# Allegro board 1155000-zp-dic_pda_8ch_board_v002.brd (continued)
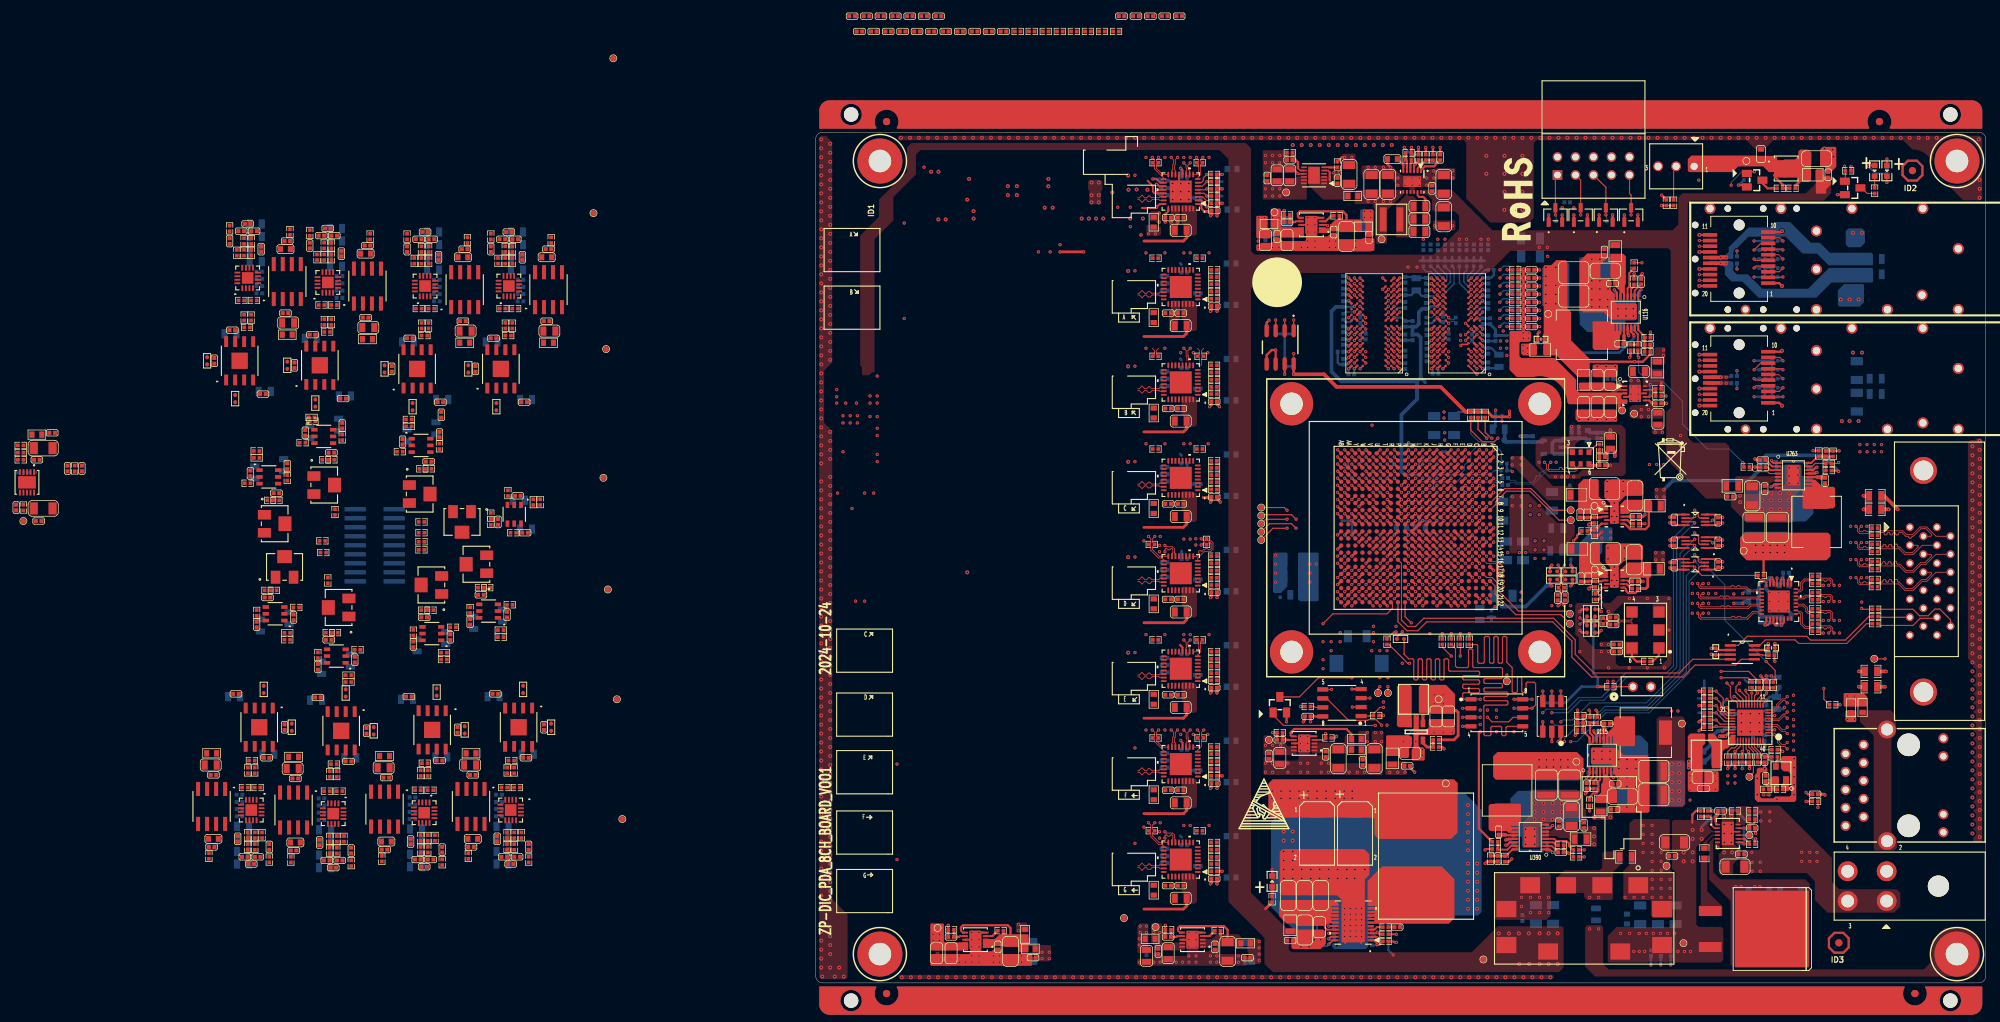
[diagram p0: board, top side]
## Routing (per net, layer and track width the routed paths; a pad name or vN(x,y) marks a point on that pad's centre or on a via; arc(x,y) is an arc through that point) (continued)
VCC1V8_FPGA: length 8
  TOP w0.305: U1.L17 v1(85.6,58.19) ; U1.P18 v1(81.6,57.19) ; U1.K20 v1(86.6,55.19) ; U1.F22 v1(90.6,53.19) ; U1.N7 v1(83.6,69.19) ; U1.J7 v1(87.6,69.19) ; U1.N21 v1(83.6,54.19) ; U1.G19 v1(88.61,56.19)
  BOTTOM w0.305: v1(83.6,54.19) 84.1,53.69 C401.1 ; C403.1 86.1,58.69 v1(85.6,58.19) ; C2495.1 87.1,54.69 v1(86.6,55.19)
  vias: v1(69.69,59.06) v1(69.69,57.79) v1(69.69,56.52) v1(70.58,59.06)
VCC1V8_PG: length 86.9
  TOP w0.152: R1067.1 v1(116.51,101.59)
  TOP w0.254: v1(109.06,38.48) 109.19,38.35 R1060.1
  ART03 w0.102: v1(116.51,101.59) 120.06,98.04 120.06,83.95 119.3,83.19 119.3,78.61 120.06,77.85 120.06,73.56 122.25,71.37 122.25,59.64 123.69,58.19 126.26,58.19 128.27,56.18 128.27,46.94 119.93,38.61 110.92,38.61 110.54,38.99 109.52,38.99 109.06,38.53 v1(109.06,38.48)
VCC2V5: length 28.2
  TOP w0.381: R1129.1 90.01,34.29 90.6,34.88 90.6,38.16 90.32,38.44 C1259.1 ; R2120.1 v1(110.28,41.78)
  BOTTOM w0.381: R2154.1 R2155.1 R2156.1 105.71,39.5 108,41.78 v1(110.28,41.78) 110.28,43.05 109.65,43.69 109.65,50.38 ; 95.3,51.07 C2413.1 ; C2413.1 94.79,51.6 ; C2413.1 95.81,51.6
  vias: v1(87.22,40.64) v1(87.22,39.37) v1(88.49,40.64) v1(88.49,39.37)
VCC2V5_AMP:
  vias: v1(16.56,6.86) v1(16.56,5.97) v1(17.45,6.86) v1(17.45,5.97) v2(17.3,107.7)
VCC2V5_FPGA: length 43.2
  TOP w0.305: v1(106.47,56.01) 106.73,56.26 R2204.1 ; U1.V16 v1(77.6,59.19) ; R2208.1 110.45,49.4 v1(110.77,49.72) ; U1.U19 v1(78.6,56.19) ; U1.C21 v1(93.6,54.19) ; v1(103.81,56.01) 103.55,56.26 R2205.1 ; 109.9,52.71 110.45,52.71 v1(110.77,52.39) ; U1.T22 v1(80.6,53.19) ; U1.B14 v1(94.6,62.19) ; U1.E15 v1(91.6,60.19) ; U1.AA17 v1(74.6,58.19) ; U1.D18 v1(92.6,57.19) ; U1.AB14 v1(73.6,61.19) ; U1.H16 v1(88.6,59.19) ; U1.A17 v1(95.6,58.19) ; U1.Y20 v1(75.6,55.19)
  TOP w0.381: U1.C11 v1(93.6,65.19) ; U1.G9 v1(89.6,67.19) ; U1.F12 v1(90.6,63.19) ; U1.D8 v1(92.6,68.19)
  ART03 w0.508: v1(103.81,56.01) v1(106.47,56.01) 107.15,56.01 v1(110.77,52.39) v1(110.77,49.72)
  BOTTOM w0.305: C415.1 94.1,62.69 v1(94.6,62.19) ; C434.1 91.09,60.71 v1(91.6,60.19) ; C409.1 U1.U19 v1(78.6,56.19) ; C440.1 94.1,65.69 v1(93.6,65.19) ; v1(88.6,59.19) 88.17,59.63 C417.1 ; C410.1 74.11,57.7 v1(74.6,58.19) ; C408.1 75.11,54.7 v1(75.6,55.19)
  BOTTOM w0.381: v1(90.6,63.19) 91.1,62.7 C441.1 ; C438.1 90.1,66.7 v1(89.6,67.19)
  BOTTOM w0.508: v1(103.81,56.01) 103.04,56.01 100.12,53.09 96.77,53.09 95.62,54.23 C414.1
  vias: v1(100.76,67.31) v1(100.76,66.04) v1(102.03,67.31) v1(102.03,66.04)
VCC3V3: length 64
  TOP w0.254: U49.1 126.94,61.36 C3036.1 ; U287.8 126.86,66.07 C3041.1 ; C3039.1 126.94,58.3 U286.1
  TOP w0.305: v1(134.32,47.88) C1491.1 134.04,46.96 U154.7 ; 133.65,59.69 133.67,59.67 R2135.1 ; R2251.2 v1(128.62,30.23) ; DS10.1 148.55,115.31 v1(148.43,115.19) ; R834.1 v1(139.66,25.6) ; U263.14 140.64,72.35 141.04,72.74 v1(141.19,72.74) ; v1(144.32,75.05) R1085.2 C1207.2 ; C3036.1 v1(127.88,61.67) ; C3041.1 v1(127.88,65.68) ; v1(73.45,34.8) 73.2,34.54 R1150.1 ; v1(127.88,58.61) C3039.1
  TOP w0.508: v1(123.11,31.24) v1(123.11,30.35) ; L282.2 111.32,74.61 C2484.1 112.28,75.35 112.7,74.93 v1(112.7,74.3)
  BOTTOM w0.305: R11.1 R12.1 R517.1 133.87,99.88 133.56,99.57 v1(132.32,99.57) ; v1(132.32,87.77) R2150.1 R2149.1 ; R2250.2 R2248.2 129.49,31.1 v1(128.62,30.23) ; R2250.2 v1(130.65,30.23) ; R2250.2 R2249.2 ; R2149.1 R2148.1 R2144.1 ; R2149.1 R2151.1 ; R14.1 R392.1 ; R392.1 R391.1 v1(132.32,104.65) ; R392.1 R13.1 R516.1 ; v1(148.43,115.19) 149.47,114.15 R87.1 ; v1(134.03,43.31) 134.08,43.26 R2252.1 ; v1(132.32,82.69) 133.56,82.69 133.87,83 R2145.1 R2147.1 R2146.1
  BOTTOM w0.381: L243.1 134.98,43.12 v1(134.79,43.31) v1(134.03,43.31)
  BOTTOM w0.508: 112.44,77.09 111.68,77.09 111.15,77.62 C2485.2 109.19,77.62 L288.1 ; L283.1 130.98,53.8 v1(130.73,53.54) v1(129.46,53.54) ; L244.1 v1(123.11,31.24)
  vias: v1(28.62,8.26) v1(28.62,7.37) v1(78.91,35.31) v1(78.91,34.04) v1(79.8,35.31) v1(79.8,34.04) v1(80.95,29.72) v1(82.09,29.72) v1(83.1,29.72) v1(110.79,47.75) v1(111.81,47.75) v1(119.55,89.28) v1(119.55,88.52) v1(128.62,29.21) v1(128.62,28.19) v1(129.63,29.21) v1(129.63,28.19) v1(133.65,26.54) v1(134.41,26.54) v1(147.24,75.95) v1(147.24,74.93) v1(148.26,75.95) v1(148.26,74.93) v1(149.27,75.95) v1(149.27,74.93) v1(150.29,75.95) v1(150.29,74.93) v2(132.56,61.73) v2(132.56,60.71) v2(133.57,61.73) v2(133.57,60.71) v2(134.59,61.73) v2(134.59,60.71) v2(135.58,61.73) v2(135.58,60.71) v2(136.62,61.73) v2(136.62,60.71)
VCC3V3_PG: length 177
  TOP w0.152: 107.62,18.77 v1(108.38,18.77) ; v1(144.24,73.41) 144.12,73.28 R1078.1
  TOP w0.305: R1884.1 v1(86.03,117.86)
  ART03 w0.102: v1(86.03,117.86) 87.04,116.84 89.58,116.84 95.68,110.74 110.92,110.74 121.08,100.58 121.08,76.71 v1(121.97,75.82) ; v1(144.24,73.41) 137.21,73.41 130.09,66.29 130.09,51.31 129.23,50.44 129.23,46.3 125.52,42.6 125.52,38.86 123.49,36.83 123.49,32.51 122.47,31.5 122.47,26.59 v1(123.28,25.78)
  ART08 w0.102: v1(144.24,73.41) 144.19,73.41 140.89,76.71 122.86,76.71 v1(121.97,75.82) ; v1(108.38,18.77) 108.38,24.51 110.28,26.42 122.65,26.42 v1(123.28,25.78)
VCC5V5: length 3.3
  TOP w0.305: U390.14 97.9,19.82 97.51,19.43 v1(97.31,19.43) ; v1(94.39,16.86) 94.66,17.13 R3191.2 C3392.2
  vias: v1(31.92,4.32) v1(31.92,3.43) v1(32.94,4.32) v1(32.94,3.43) v1(62.53,5.84) v1(62.53,4.95) v1(62.53,4.06) v1(62.53,3.18) v1(77.39,108.84) v1(77.39,107.95) v1(77.77,35.31) v1(77.77,34.04) v1(78.28,108.84) v1(78.28,107.95) v2(102.01,31.47) v2(102.01,30.45) v2(103.05,31.47) v2(103.05,30.45) v2(104.05,31.47) v2(104.05,30.45) v2(105.06,31.47) v2(105.06,30.45) v2(106.08,31.47) v2(106.08,30.45)
VCC5V5_PG: length 55.5
  TOP w0.152: U1.R21 v1(80.6,54.19)
  TOP w0.254: R3201.1 94.52,18.89 v1(94.39,18.77)
  ART08 w0.102: v1(80.6,54.19) 80.6,53.83 81.02,53.42 81.02,53.04 79.17,51.18 78.3,51.18 75.1,47.98 75.1,40.49 76.25,39.34 76.25,31.5 79.29,28.45 91.61,28.45 93.52,26.54 93.52,19.64 v1(94.39,18.77)
VCC5V_A:
  vias: v1(46.93,105.66) v1(47.93,105.66) v1(64.44,107.95) v1(65.32,107.95)
VCC5V_ADA4945:
  vias: v1(45.64,6.22) v1(45.64,5.33) v1(45.77,8) v1(45.77,7.11) v1(46.66,8) v1(46.66,7.11) v2(44.12,111.89) v2(44.37,107.82) v2(46.15,107.82)
VCC5V_AMP:
  vias: v1(47.67,7.11) v1(48.56,7.11) v2(32.81,112.38)
VCC5V_VREF:
  vias: v1(31.42,103.12) v1(62.4,107.95) v1(63.29,107.95)
VCC10V_EN: length 192.1
  TOP w0.152: U1.M16 v1(84.6,59.19)
  ART03 w0.102: v1(2.97,83.69) 2.97,106.17 14.65,117.86 65.96,117.86 66.98,116.84 66.98,104.14 67.86,103.25 v1(67.86,98.68)
  ART06 w0.114: v1(67.86,98.68) 67.86,92.64 66.57,91.35 66.57,89.26 63.95,86.64 63.95,56.11 71.29,48.77 86.1,48.77 v1(86.61,49.28)
  ART08 w0.102: v1(86.61,49.28) 86.61,54.63 86.21,55.03 86.21,56.03 86.21,56.03 86.21,56.46 85.98,56.69 85.55,56.69 85.21,57.03 85.21,58.59 v1(84.6,59.19)
VCC12V: length 3.5
  TOP w0.381: 63.42,10.45 R2050.1
  BOTTOM w0.305: R1045.1 80.76,4.63 v1(81.45,3.94)
  vias: v2(96.31,6.99) v2(97.76,6.99) v2(99.15,6.99) v2(99.23,2.67) v2(100.55,6.99) v2(100.63,2.67) v2(102.07,6.99) v2(102.07,2.67) v2(103.34,6.99) v2(103.34,2.67) v2(104.61,6.99) v2(104.61,2.67) v2(109.76,21.81) v2(109.76,20.67) v2(109.81,23.35) v2(109.77,19.56) v2(110.95,23.35) v2(112.06,23.37)
VCC12V_FAN_EN: length 122.7
  TOP w0.152: U1.M21 v1(83.6,55.19)
  ART03 w0.102: v1(129.46,54.86) 129.46,58.8 126.79,61.47 125.78,61.47 124.22,63.03 123.71,63.03 123.49,63.25 123.49,76.96 128.95,82.42 128.95,88.14 127.28,89.81 127.28,97.13 129.08,98.93 129.08,107.61 129.44,107.97 129.44,112.18 v1(129.09,112.52)
  ART08 w0.102: v1(83.6,55.19) 83.6,55.24 84,55.63 84,60.33 84.26,60.59 91.77,60.59 92,60.36 92,59.94 92.35,59.59 94.33,59.59 95.09,58.83 101.24,58.83 102.03,58.04 113.08,58.04 114.98,56.13 120.57,56.13 122.68,54.03 128.62,54.03 v1(129.46,54.86)
  BOTTOM w0.152: v1(129.09,112.52) 129.09,112.92 130.57,114.39 R1197.2
VCC12V_IN: length 14.9
  TOP w0.305: v1(132.55,20.32) 132.45,20.21 R1033.1 ; R1040.1 124.15,24.28 123.62,23.75 123.62,22.61
  BOTTOM w0.381: v1(132.55,20.32) 132.25,20.32 131.75,20.83 131.75,22.35 129.71,24.38 127.68,24.38 126.16,22.86 125.78,22.86 124.93,22.02 v2(124.93,21.59)
  vias: v1(113.5,6.99) v1(114.77,6.99) v1(115.36,4.45) v1(116.13,6.99) v1(116.12,4.45) v1(116.89,4.45) v1(117.13,6.99) v1(118.13,6.99) v1(119.13,6.99) v1(120.13,6.99) v1(121.12,6.99) v1(121.59,4.45) v1(122.52,4.45) v1(123.36,4.45) v2(122.39,18.42) v2(122.39,17.15) v2(123.66,21.59) v2(123.66,20.32) v2(123.66,18.42) v2(123.66,17.15) v2(124.93,20.32)
VCC12V_IN_CON:
  vias: v1(127.22,19.05) v1(132,18.42) v1(132.05,17.02) v1(132.05,15.75) v1(133.27,24.13) v1(133.27,22.86) v1(133.19,17.02) v1(133.19,15.75) v1(134.54,24.13) v1(134.54,22.86) v1(139.03,18.42) v1(139.03,17.15) v1(140.17,18.42) v1(140.17,17.15) v1(141.19,18.42) v1(141.19,17.15)
VCC-2V5_AMP:
  vias: v1(63.42,112.01) v1(63.42,111) v1(64.44,112.01) v1(64.44,111) v1(65.45,112.01) v1(65.45,111) v2(16.28,114.43) v2(22.27,108.86)
VCC-3V_A:
  vias: v1(77.9,110.24) v1(78.91,110.24) v1(80.06,110.24) v1(81.07,110.24)
VCC-3V_PG: length 98.2
  TOP w0.152: 82.1,55.69 v1(81.6,55.19)
  ART06 w0.114: v1(78.66,50.29) 78.28,49.91 70.66,49.91 64.33,56.24 64.33,86.38 66.97,89.02 66.97,90.16 68.25,91.44 68.25,98.04 75.74,105.54 75.74,113.79 78.41,116.46 81.6,116.46 v1(83,117.86)
  ART08 w0.102: v1(78.66,50.29) 79.17,50.29 81.63,52.76 81.63,53.54 81.21,53.97 81.21,54.8 v1(81.6,55.19)
  BOTTOM w0.305: R1886.1 83.99,116.86 v1(83,117.86)
VCCAUX: length 10.9
  TOP w0.305: v1(82.6,67.19) U1.P8 v1(82.6,68.19) U1.P7 ; U1.R9 v1(80.6,67.19) ; U1.M10 v1(84.6,66.19) ; U1.P10 v1(82.6,65.19) ; U1.R11 v1(80.6,65.19) ; U1.K10 v1(86.6,66.19) ; U1.P12 v1(81.6,63.19)
  BOTTOM w0.305: U1.R9 v1(80.6,67.19) ; L5.2 85.11,64.81 85.11,65.69 v1(84.6,66.19) ; C420.1 83.08,65.67 v1(82.6,65.19) ; v1(81.6,63.19) 81.11,62.7 C418.1
  vias: v1(101.44,62.36) v1(101.44,61.09) v1(101.44,59.87) v1(102.71,62.36) v1(102.71,61.09) v1(102.71,59.87)
VCCINT_FPGA: length 43.7
  TOP w0.254: v1(81.88,5.72) 81.63,5.72 81.5,5.84 R1047.2
  TOP w0.305: U1.J13 v1(87.6,62.19) ; U1.K14 v1(86.6,61.19) ; U1.J15 v1(87.6,60.19) ; U1.M14 v1(84.6,61.19) ; U1.K8 v1(86.6,68.19) ; U1.N13 v1(83.6,62.19) ; U1.P14 v1(81.6,61.19) ; U1.L15 v1(85.6,60.19) ; U1.N9 v1(83.6,67.19) ; U1.R13 v1(80.6,62.19) ; U1.L9 v1(85.6,67.19) ; U1.L13 v1(85.6,62.19) ; U1.J11 v1(87.6,65.19) ; U1.J9 v1(87.6,67.19) ; U1.M8 v1(84.6,68.19) ; U1.N15 v1(83.6,60.19) ; U1.R15 v1(80.6,60.19)
  ART06 w0.381: v1(81.88,5.72) 80.87,4.7 78.66,4.7 77.59,5.77 77.59,11.35 76.75,12.19 76.75,16.64 75.66,17.73 v2(75.66,26.06)
  BOTTOM w0.305: v1(81.6,61.19) 82.11,61.69 C155.1 ; v1(87.6,65.19) 87.13,65.66 C153.1 ; v1(83.6,67.19) 83.1,66.69 C165.1 ; v1(84.6,68.19) 85.08,67.72 C494.1 ; v1(83.6,62.19) 83.13,61.72 C166.1
  BOTTOM w0.381: C495.1 87.13,66.72 v1(87.6,67.19)
  vias: v1(71.55,45.59) v1(71.55,44.32) v1(72.69,46.86) v1(73.96,49.4) v1(73.96,48.13) v2(64.36,27.05) v2(64.36,26.04) v2(65.63,27.05) v2(65.63,26.04) v2(66.9,27.05) v2(66.9,26.04) v2(68.17,27.05) v2(68.17,26.04) v2(69.44,27.05) v2(69.44,26.04) v2(70.71,27.05) v2(70.71,26.04) v2(71.98,27.05) v2(71.98,26.04) v2(73.25,27.05) v2(73.25,26.04) v2(74.52,27.05) v2(74.52,26.04) v2(75.66,27.05)
VCCINT_FPGA_PG: length 43.6
  TOP w0.254: U113.3 79.04,7.01 v1(79.19,7.16) 79.49,6.86 R1041.2
  TOP w0.305: v1(109.13,24.26) 109.12,24.26 R1059.1
  ART08 w0.102: v1(109.13,24.26) 109.13,17.64 108.63,17.15 101.27,17.15 91.99,7.87 79.93,7.87 79.24,7.19 79.22,7.19 v1(79.19,7.16)
ADC1_CLK_N: length 49.2
  TOP w0.102: U1.V18 v1(77.6,58.19)
  ART03 w0.102: 48.36,76.06 48.12,76.3 48.12,76.58 49.24,77.7 50.19,77.7 51.74,79.25 55.99,79.25 61.11,74.13 61.11,63.46 63.78,60.79 63.78,58.89 64.45,58.22 71.6,58.22 71.8,58.42 73.29,58.42 73.46,58.59 77.9,58.59 78,58.49 78,58.29 77.9,58.19 v1(77.6,58.19)
ADC1_CLK_P: length 50.2
  TOP w0.102: U1.U17 v1(78.6,58.19)
  ART03 w0.102: v1(78.6,58.19) 78.31,58.19 78.21,58.29 78.21,58.57 77.99,58.79 73.32,58.79 73.29,58.83 71.64,58.83 71.43,58.62 64.61,58.62 64.18,59.06 64.18,60.96 61.51,63.63 61.51,74.29 56.16,79.65 51.57,79.65 50.02,78.11 49.07,78.11 47.71,76.75 47.71,76.3 47.47,76.06
ADC1_CNV_N: length 47.1
  TOP w0.102: U1.U20 v1(79.6,55.19)
  ART03 w0.102: 54.59,76.06 54.35,76.3 54.35,76.45 54.45,76.56 55.7,76.56 56.37,75.88 56.37,75.74 56.2,75.57 56.2,75.09 56.73,74.57 57.21,74.57 57.38,74.73 57.52,74.73 59.08,73.18 59.08,72.99 58.97,72.89 58.07,72.89 57.73,72.55 57.73,71.8 58.07,71.46 58.97,71.46 59.08,71.36 59.08,70.96 58.97,70.86 58.63,70.86 58.29,70.52 58.29,69.77 58.63,69.43 58.97,69.43 59.08,69.33 59.08,62.58 61.62,60.04 61.62,57.99 63.98,55.63 72.63,55.63 72.7,55.69 73.23,55.69 73.33,55.59 79.5,55.59 79.6,55.49 v1(79.6,55.19)
ADC1_CNV_P: length 47.6
  TOP w0.102: U1.T20 v1(79.6,56.19)
  ART03 w0.102: 53.7,76.06 53.95,76.3 53.95,76.62 54.29,76.96 55.87,76.96 56.78,76.05 56.78,75.57 56.61,75.41 56.61,75.26 56.9,74.97 57.04,74.97 57.21,75.14 57.69,75.14 59.48,73.35 59.48,72.82 59.14,72.48 58.24,72.48 58.14,72.38 58.14,71.97 58.24,71.87 59.14,71.87 59.48,71.53 59.48,70.79 59.14,70.45 58.8,70.45 58.7,70.35 58.7,69.94 58.8,69.84 59.14,69.84 59.48,69.5 59.48,62.74 62.02,60.2 62.02,58.16 64.15,56.03 72.49,56.03 72.63,55.9 73.31,55.9 73.41,55.79 79.21,55.79 v1(79.6,56.19)
ADC1_DATA_N: length 43.1
  TOP w0.102: U1.W22 v1(76.6,54.19)
  ART03 w0.102: 52.82,75.3 52.57,75.05 52.57,74.78 52.67,74.68 55.55,74.68 56.51,73.71 56.51,70.64 58.47,68.68 58.47,62.32 60.88,59.91 60.88,57.81 63.7,54.99 71.8,54.99 72.18,54.61 72.32,54.61 72.35,54.63 72.49,54.63 72.63,54.49 72.63,54.35 72.61,54.33 72.61,54.18 72.75,54.04 72.9,54.04 72.92,54.06 73.06,54.06 73.21,53.92 73.21,53.77 73.19,53.75 73.19,53.61 74.09,52.71 75.89,52.71 76.9,53.72 76.9,54.09 76.8,54.19 v1(76.6,54.19)
ADC1_DATA_P: length 43.9
  TOP w0.102: U1.W21 v1(77.6,54.19)
  ART03 w0.102: v1(77.6,54.19) 77.31,53.9 77.31,53.55 76.06,52.3 73.92,52.3 71.63,54.58 63.53,54.58 60.47,57.64 60.47,59.74 58.06,62.16 58.06,68.51 56.1,70.47 56.1,73.54 55.38,74.27 52.5,74.27 52.16,74.61 52.16,75.05 51.91,75.3
ADC1_DCO_N: length 47.1
  TOP w0.102: U1.W19 v1(76.6,56.19)
  ART03 w0.102: v1(76.6,56.19) 76.9,56.19 77,56.29 77,57.38 76.78,57.59 73.4,57.59 73.29,57.49 72.47,57.49 71.92,56.95 64.12,56.95 62.63,58.43 62.63,60.46 60.09,63 60.09,73.62 55.61,78.11 55.24,78.11 55.14,78 55.14,77.93 55.04,77.83 54.83,77.83 54.73,77.93 54.73,78 54.63,78.11 54.43,78.11 54.33,78 54.33,77.93 54.22,77.83 54.02,77.83 53.92,77.93 53.92,78 53.82,78.11 52.44,78.11 52.14,77.81 52.14,77.67 52.19,77.62 52.19,77.48 52.05,77.33 51.9,77.33 51.86,77.38 51.71,77.38 50.78,76.45 50.78,76.3 51.03,76.06
ADC1_DCO_P: length 47
  TOP w0.102: U1.V19 v1(77.6,56.19)
  ART03 w0.102: 50.14,76.06 50.38,76.3 50.38,76.62 52.27,78.51 55.77,78.51 60.5,73.79 60.5,63.17 63.04,60.63 63.04,58.6 64.28,57.35 71.75,57.35 72.3,57.9 73.29,57.9 73.4,57.8 76.87,57.8 77.21,57.46 77.21,56.59 v1(77.6,56.19)
ADC1_IN+: length 4.3
  TOP w0.102: U366.23 48.53,70 48.4,70.12 47.46,70.12 47.17,69.83 46.9,69.83 46.63,70.1 46.4,70.1 46.02,69.72 45.64,70.1 45.41,70.1
ADC1_IN-: length 4.3
  TOP w0.102: U366.22 48.53,70.5 48.4,70.37 47.38,70.37 47.12,70.63 46.95,70.63 46.68,70.36 46.4,70.36 46.02,70.74 45.64,70.36 45.41,70.36
ADC1_VIO: length 0.3
  BOTTOM w0.381: 51.59,74.4 51.4,74.59
ADC1_VREF: length 7.3
  TOP w0.381: 46.29,64.26 51.86,64.26 52.33,64.73 C3279.1
ADC2_CLK_N: length 61.4
  TOP w0.102: U1.U18 v1(78.6,57.19) ; U369.16 48.45,60.19 47.52,61.11 47.52,61.58 R3034.1 47.52,62.12 47.52,62.67 v1(47.83,62.98)
  ART03 w0.102: v1(47.83,62.98) 47.49,62.65 47.49,62.3 47.65,62.15 47.65,61.9 47.49,61.74 47.49,61.14 47.6,61.04 47.85,61.04 48.01,60.88 48.01,60.62 48.69,59.94 49.82,59.94 50.03,60.15 50.23,60.15 50.43,59.94 50.63,59.94 50.84,60.15 51.04,60.15 51.24,59.94 51.45,59.94 51.65,60.15 51.85,60.15 52.06,59.94 53.01,59.94 53.64,59.31 53.64,55.37 55.11,53.9 57.15,53.9 61.36,49.68 68.86,49.68 70.84,47.7 79.68,47.7 80.03,48.05 80.03,48.19 79.99,48.23 79.99,48.37 80.14,48.52 80.28,48.52 80.31,48.48 80.46,48.48 80.9,48.93 80.9,49.36 80.8,49.46 80.72,49.46 80.62,49.56 80.62,49.77 80.72,49.87 80.8,49.87 80.9,49.97 80.9,50.17 80.8,50.27 80.72,50.27 80.62,50.38 80.62,50.58 80.72,50.68 80.8,50.68 80.9,50.78 80.9,52.6 81,52.71 81,56.42 80.84,56.59 79.3,56.59 79.08,56.81 79.08,57.09 78.98,57.19 v1(78.6,57.19)
ADC2_CLK_P: length 60.9
  TOP w0.102: U1.T18 v1(79.6,57.19) ; U369.17 49.08,59.68 48.83,59.93 48.34,59.93 47.27,61.01 47.27,61.58 R3034.2 47.27,62.12 47.27,62.65 v1(46.94,62.98)
  ART03 w0.102: v1(46.94,62.98) 47.09,62.82 47.09,62.82 47.09,60.97 48.52,59.54 52.84,59.54 53.23,59.14 53.23,55.2 54.95,53.49 56.98,53.49 61.19,49.28 68.69,49.28 70.67,47.29 79.84,47.29 81.31,48.76 81.31,52.6 81.21,52.71 81.21,56.51 80.92,56.79 79.38,56.79 79.28,56.89 79.28,57.09 79.38,57.19 v1(79.6,57.19)
ADC2_CNV_N: length 55.1
  TOP w0.102: v1(54.37,62.66) 54.69,62.34 54.85,62.34 R3033.1 55.39,62.34 55.78,62.34 56.03,62.09 56.03,61.16 55.7,60.83 54.78,60.83 53.88,59.93 U369.8 ; U1.V22 78.11,53.69 v1(78.6,53.19)
  ART03 w0.102: v1(54.37,62.66) 54.62,62.66 54.73,62.78 54.73,63.09 53.18,64.64 53.18,68.27 53.6,68.68 54.8,68.68 55.14,68.34 55.14,66.14 56.43,64.85 56.43,59.99 56.54,59.89 56.91,59.89 57.25,59.55 57.25,58.81 56.91,58.47 56.54,58.47 56.43,58.36 56.43,57.91 57.07,57.28 58.34,57.28 62.78,52.83 70.73,52.83 73.12,50.44 77.19,50.44 78.9,52.16 78.9,52.58 78.9,52.58 78.9,52.9 v1(78.6,53.19)
ADC2_CNV_P: length 56.6
  TOP w0.102: v1(54.37,61.77) 54.69,62.09 54.85,62.09 R3033.2 55.39,62.09 55.67,62.09 55.77,61.99 55.77,61.27 55.59,61.09 55.41,61.09 55.26,61.24 55,61.24 54.85,61.09 54.68,61.09 54.5,60.91 54.36,60.91 54.27,60.99 54.13,60.99 53.99,60.85 53.99,60.7 54.07,60.62 54.07,60.48 53.78,60.19 U369.9 ; v1(79.6,53.19) 79.1,53.69 U1.U22
  ART03 w0.102: v1(54.37,61.77) 54.37,62.07 54.56,62.26 54.78,62.26 55.14,62.61 55.14,63.26 54.97,63.43 54.97,63.57 55,63.6 55,63.74 54.85,63.89 54.71,63.89 54.68,63.86 54.54,63.86 54.4,64.01 54.4,64.15 54.42,64.18 54.42,64.32 54.28,64.46 54.13,64.46 54.11,64.44 53.96,64.44 53.59,64.81 53.59,68.1 53.77,68.28 54.63,68.28 54.73,68.17 54.73,65.97 56.03,64.68 56.03,59.82 56.37,59.48 56.74,59.48 56.84,59.38 56.84,58.97 56.74,58.87 56.37,58.87 56.03,58.53 56.03,57.74 56.9,56.87 58.17,56.87 62.62,52.43 70.57,52.43 72.95,50.04 77.36,50.04 79.31,51.99 79.31,52.75 79.31,52.9 v1(79.6,53.19)
ADC2_DATA_N: length 55.1
  TOP w0.102: U1.U21 v1(78.6,54.19)
  ART03 w0.102: v1(78.6,54.19) 78.98,54.19 79.08,54.09 79.08,53.86 79.35,53.59 79.89,53.59 80,53.48 80,53.02 79.9,52.92 79.9,52.19 79.9,52.19 79.9,51.66 79.29,51.05 79.29,49.35 78.91,48.97 72.61,48.97 71.88,49.7 71.4,49.7 70.99,49.29 70.84,49.29 70.55,49.57 70.55,49.72 70.97,50.13 70.97,51.02 70.18,51.82 69.04,51.82 68.7,51.48 68.7,50.8 68.6,50.7 68.2,50.7 68.09,50.8 68.09,51.48 67.75,51.82 67.01,51.82 66.67,51.48 66.67,50.8 66.57,50.7 66.16,50.7 66.06,50.8 66.06,51.48 65.72,51.82 64.98,51.82 64.64,51.48 64.64,50.8 64.54,50.7 64.13,50.7 64.03,50.8 64.03,51.48 63.69,51.82 62.95,51.82 62.61,51.48 62.61,50.8 62.51,50.7 61.87,50.7 61.31,51.25 61.31,51.4 61.76,51.85 61.76,52.33 61.24,52.86 60.76,52.86 60.31,52.41 60.16,52.41 59.88,52.69 59.88,52.84 60.33,53.29 60.33,53.77 59.8,54.29 59.32,54.29 58.87,53.84 58.73,53.84 58.44,54.13 58.44,54.27 58.89,54.72 58.89,55.2 58.36,55.73 57.88,55.73 57.43,55.28 56.98,55.28 55.75,56.52 54.78,56.52 54.66,56.64 54.66,60.07 54.24,60.48 54.24,60.63 54.3,60.69 54.3,60.83 54.16,60.97 54.02,60.97 53.96,60.91 53.81,60.91 53.64,61.09 52.7,61.09 52.6,61.19 52.6,61.62 52.82,61.84
ADC2_DATA_P: length 56
  TOP w0.102: U1.T21 v1(79.6,54.19)
  ART03 w0.102: 51.91,61.84 52.19,61.56 52.19,61.02 52.53,60.68 53.47,60.68 54.25,59.9 54.25,56.47 54.62,56.11 55.58,56.11 56.82,54.87 57.6,54.87 58.05,55.32 58.19,55.32 58.48,55.04 58.48,54.89 58.03,54.44 58.03,53.96 58.56,53.44 59.04,53.44 59.49,53.89 59.63,53.89 59.92,53.6 59.92,53.45 59.47,53 59.47,52.52 60,52 60.48,52 60.93,52.45 61.07,52.45 61.36,52.16 61.36,52.02 60.91,51.57 60.91,51.09 61.7,50.29 62.67,50.29 63.01,50.63 63.01,51.31 63.12,51.41 63.52,51.41 63.62,51.31 63.62,50.63 63.96,50.29 64.71,50.29 65.05,50.63 65.05,51.31 65.15,51.41 65.55,51.41 65.66,51.31 65.66,50.63 65.99,50.29 66.74,50.29 67.08,50.63 67.08,51.31 67.18,51.41 67.59,51.41 67.69,51.31 67.69,50.63 68.03,50.29 68.77,50.29 69.11,50.63 69.11,51.31 69.21,51.41 70.01,51.41 70.57,50.85 70.57,50.3 70.15,49.89 70.15,49.41 70.67,48.88 71.15,48.88 71.57,49.3 71.72,49.3 72.45,48.56 79.08,48.56 79.7,49.18 79.7,50.89 80.31,51.5 80.31,52.19 80.31,52.19 80.31,52.92 80.21,53.02 80.21,53.56 79.97,53.79 79.44,53.79 79.28,53.95 79.28,54.09 79.38,54.19 v1(79.6,54.19)
ADC2_DCO_N: length 56.8
  TOP w0.102: v1(76.6,55.19) U1.W20 ; v1(49.25,61.71) 49.44,61.52 50.34,61.52 50.62,61.24 50.62,60.66 50.73,60.54 U369.14
  ART03 w0.102: v1(76.6,55.19) 76.98,55.19 77.08,55.09 77.08,54.86 77.35,54.59 77.89,54.59 78,54.48 78,53.19 76.37,51.56 73.62,51.56 71.26,53.92 63.16,53.92 59.86,57.22 59.86,59.44 57.45,61.85 57.45,66.61 56.64,67.43 56.64,68.94 55.44,70.13 53.47,70.13 51.58,68.24 51.58,65.95 50.47,64.84 50.47,64.25 50.81,63.91 51.38,63.91 51.48,63.81 51.48,63.4 51.38,63.3 50.81,63.3 50.47,62.96 50.47,61.96 49.98,61.47 49.49,61.47 v1(49.25,61.71)
ADC2_DCO_P: length 57.3
  TOP w0.102: U1.V20 v1(77.6,55.19) ; v1(49.25,60.82) 49.25,61.15 49.36,61.26 49.49,61.26 49.67,61.09 49.93,61.09 50.1,61.26 50.24,61.26 50.36,61.14 50.36,60.66 50.23,60.52 U369.15
  ART03 w0.102: v1(77.6,55.19) 77.38,55.19 77.28,55.09 77.28,54.95 77.44,54.79 77.97,54.79 78.21,54.56 78.21,52.82 76.54,51.16 73.45,51.16 71.09,53.52 62.99,53.52 59.46,57.05 59.46,59.27 57.04,61.68 57.04,66.45 56.23,67.26 56.23,68.77 55.28,69.72 53.64,69.72 51.99,68.07 51.99,65.79 50.87,64.67 50.87,64.42 50.97,64.32 51.55,64.32 51.89,63.98 51.89,63.23 51.55,62.89 50.97,62.89 50.87,62.79 50.87,61.79 50.15,61.06 49.49,61.06 v1(49.25,60.82)
ADC2_IN+: length 4.3
  TOP w0.102: 45.41,56.64 45.64,56.64 46.02,56.26 46.4,56.64 46.63,56.64 46.9,56.37 47.17,56.37 47.46,56.66 48.4,56.66 48.53,56.54 U369.23
ADC2_IN-: length 4.3
  TOP w0.102: U369.22 48.53,57.03 48.4,56.91 47.38,56.91 47.12,57.17 46.95,57.17 46.68,56.9 46.4,56.9 46.02,57.28 45.64,56.9 45.41,56.9
ADC2_VIO: length 1.1
  BOTTOM w0.381: 51.59,60.94 C3292.2
ADC2_VREF: length 7.3
  TOP w0.381: 46.29,50.8 51.86,50.8 52.33,51.27 C3293.1
ADC3_CLK_N: length 76
  TOP w0.102: U1.B12 v1(94.6,64.19) ; R3055.1 48.05,88.67 48.05,89.22 48.36,89.52
  ART03 w0.102: 48.36,89.52 48.12,89.76 48.12,90.04 50.91,92.84 51.86,92.84 52.4,93.37 57.55,93.37 62.38,88.54 62.38,79.33 65.17,76.54 65.17,65.49 66.1,64.57 68.13,64.57 70.19,62.51 72.63,62.51 72.71,62.59 81.94,62.59 82.94,63.59 94.06,63.59 94.33,63.86 94.33,64.09 94.44,64.19 v1(94.6,64.19)
ADC3_CLK_P: length 76.7
  TOP w0.102: 47.47,89.52 47.8,89.19 47.8,88.67 R3055.2 ; U1.C12 v1(93.6,64.19)
  ART03 w0.102: v1(93.6,64.19) 94.03,64.19 94.13,64.09 94.13,63.95 93.98,63.79 82.86,63.79 81.86,62.79 72.75,62.79 72.63,62.92 70.35,62.92 68.3,64.97 66.27,64.97 65.58,65.66 65.58,76.71 62.78,79.5 62.78,88.71 57.72,93.78 52.23,93.78 51.69,93.24 50.75,93.24 47.71,90.21 47.71,89.76 47.47,89.52
ADC3_CNV_N: length 81
  TOP w0.102: U1.F16 v1(90.6,59.19) ; 54.72,89.52 54.4,89.2 54.4,88.67 R3054.1 54.4,88.12 54.4,87.2 54.28,87.07
  ART03 w0.102: 54.72,89.52 54.5,89.52 54.4,89.62 54.4,89.87 54.58,90.04 55.35,90.04 55.48,89.91 55.48,89.85 55.48,89.7 55.66,89.52 55.73,89.52 55.87,89.52 56.03,89.37 56.03,88.69 55.35,88.01 55.15,88.01 54.97,88.19 54.74,88.19 54.56,88.01 54.34,88.01 54.16,88.19 53.93,88.19 53.75,88.01 53.52,88.01 53.35,88.19 53.12,88.19 52.94,88.01 52.4,88.01 51.96,87.58 51.96,86.67 52.3,86.33 54.02,86.33 54.12,86.23 54.12,85.54 54.02,85.44 53.6,85.44 53.26,85.1 53.26,84.36 53.6,84.02 54.02,84.02 54.12,83.91 54.12,82.97 54.02,82.86 50.65,82.86 50.31,82.52 50.31,81.47 50.65,81.13 53.45,81.13 54.21,80.37 56.73,80.37 62.12,74.98 62.12,63.91 66.54,59.49 72.99,59.49 73.09,59.59 90.5,59.59 90.6,59.49 v1(90.6,59.19)
ADC3_CNV_P: length 80.6
  TOP w0.102: 54.02,87.18 54.15,87.3 54.15,88.12 R3054.2 54.15,88.67 54.15,89.2 53.83,89.52 ; U1.F15 v1(90.6,60.19)
  ART03 w0.102: v1(90.6,60.19) 90.21,59.79 73.09,59.79 72.99,59.9 66.71,59.9 62.53,64.08 62.53,75.14 56.9,80.77 54.38,80.77 53.62,81.53 50.82,81.53 50.72,81.64 50.72,82.36 50.82,82.46 54.19,82.46 54.53,82.8 54.53,84.08 54.19,84.42 53.77,84.42 53.67,84.52 53.67,84.93 53.77,85.03 54.19,85.03 54.53,85.37 54.53,86.4 54.19,86.74 52.47,86.74 52.37,86.84 52.37,87.41 52.57,87.6 55.52,87.6 56.43,88.52 56.43,89.54 55.52,90.45 54.41,90.45 54,90.03 54,89.69 53.83,89.52
ADC3_DATA_N: length 83.1
  TOP w0.102: U1.G16 v1(88.61,60.19) ; 52.61,87.79 52.61,88.41 52.5,88.52 52.5,89.2 v1(52.82,89.52)
  ART03 w0.102: v1(88.61,60.19) 88.9,60.19 89,60.29 89,60.49 88.9,60.59 73.3,60.59 73.2,60.49 69.16,60.49 68.31,61.34 68,61.34 67.9,61.24 67.9,61.19 67.8,61.09 67.59,61.09 67.49,61.19 67.49,61.24 67.39,61.34 67.19,61.34 67.08,61.24 67.08,61.19 66.98,61.09 66.78,61.09 66.68,61.19 66.68,61.24 66.58,61.34 66.15,61.34 63.14,64.35 63.14,75.52 59.5,79.17 59.5,79.65 60.22,80.36 60.22,80.51 59.93,80.79 59.78,80.79 59.07,80.08 58.59,80.08 58.06,80.6 58.06,81.08 59.16,82.18 59.16,82.32 58.87,82.61 58.73,82.61 57.88,81.76 55.99,81.76 55.65,82.1 55.65,83.94 55.99,84.28 59,84.28 59.1,84.38 59.1,85.6 59,85.7 55.99,85.7 55.65,86.04 55.65,86.78 56.9,88.04 58.85,88.04 58.95,88.14 58.95,88.42 58.24,89.13 58.09,89.13 58.05,89.08 57.9,89.08 57.76,89.23 57.76,89.37 57.81,89.42 57.81,89.56 57.66,89.7 57.52,89.7 57.47,89.66 57.33,89.66 57.19,89.8 57.19,89.94 57.23,89.99 57.23,90.14 57.09,90.28 56.94,90.28 56.9,90.23 56.75,90.23 56.61,90.38 56.61,90.52 56.66,90.57 56.66,90.71 56.31,91.06 53.69,91.06 52.57,89.94 52.57,89.62 52.67,89.52 v1(52.82,89.52)